# Altium PCB FOC_DRV8323.PcbDoc
Units mil, origin at the board's own origin, x right, y up, seen from the top; angles counter-clockwise.
Board outline 2192.91 x 943.98 mil, 4 copper layers (Top Layer, GND, Sign, Bottom Layer), stack 23.756 mil thick; 72 components, 67 nets, 296 pads, 257 vias.
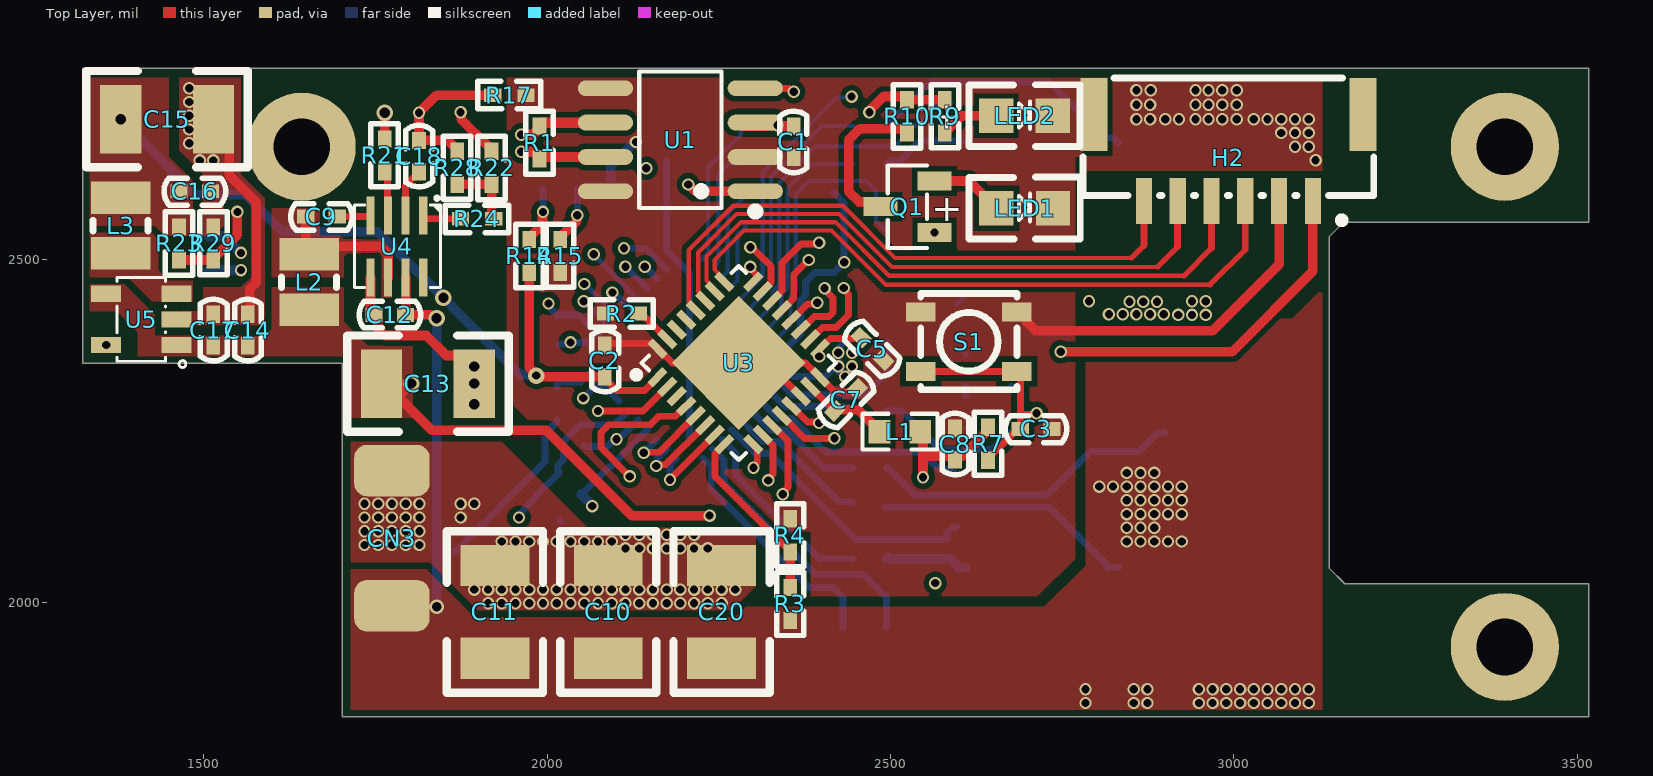
[diagram p0: Top Layer view]
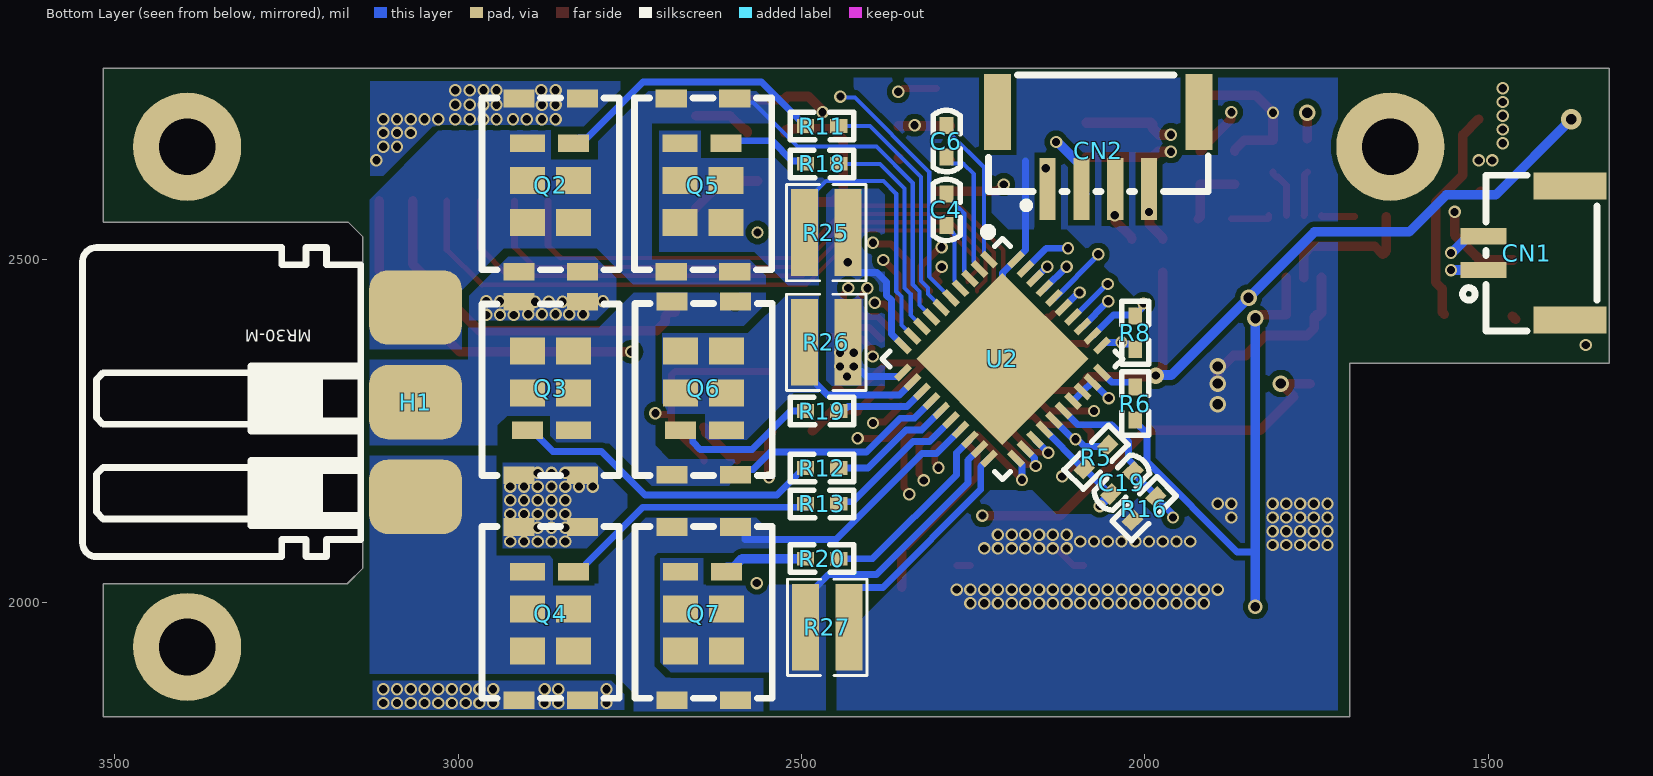
[diagram p1: Bottom Layer view, seen from below]
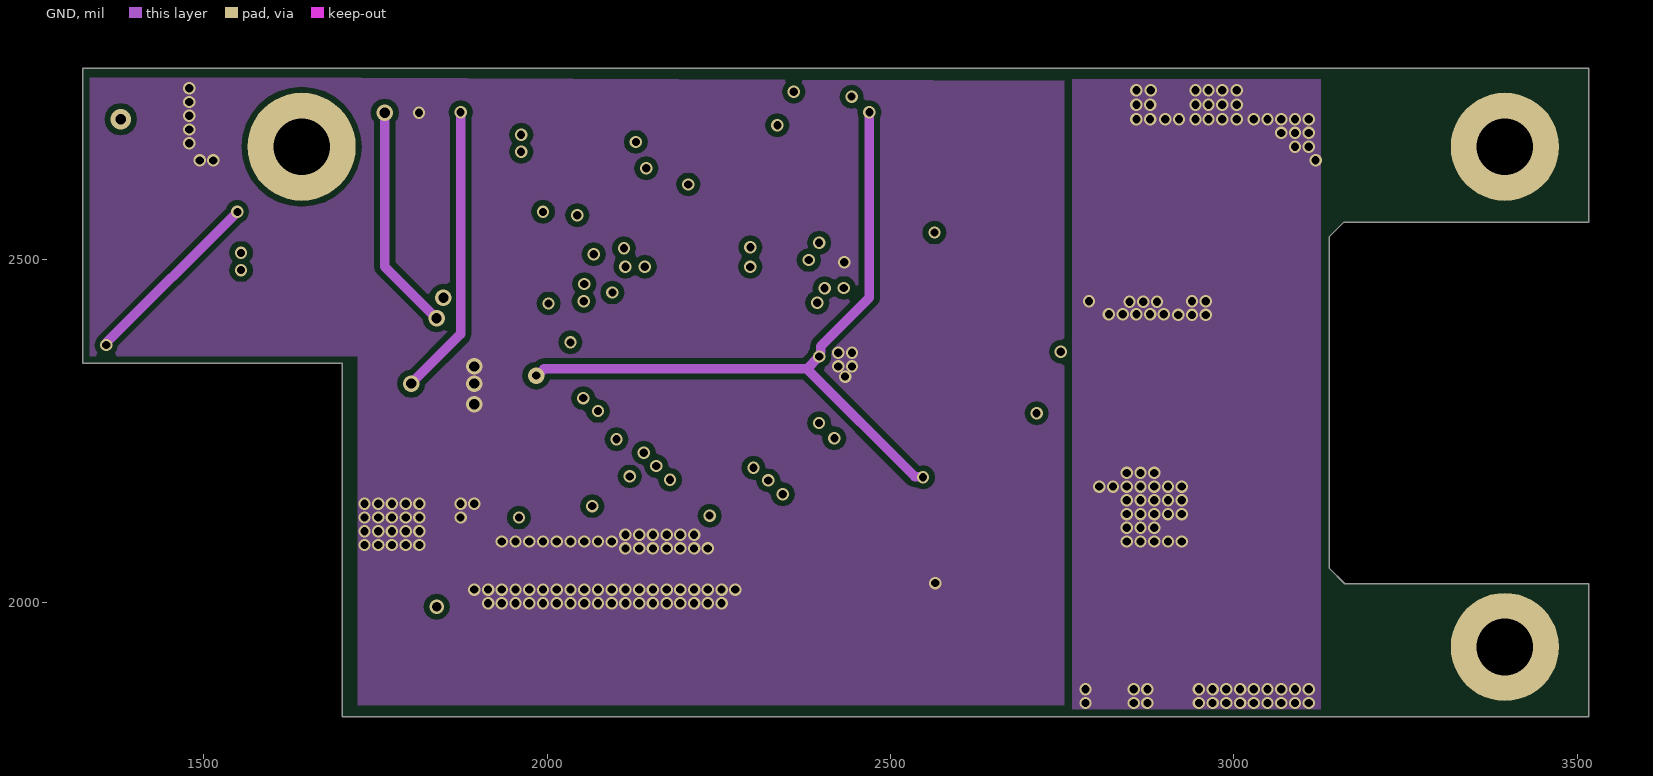
[diagram p2: GND]
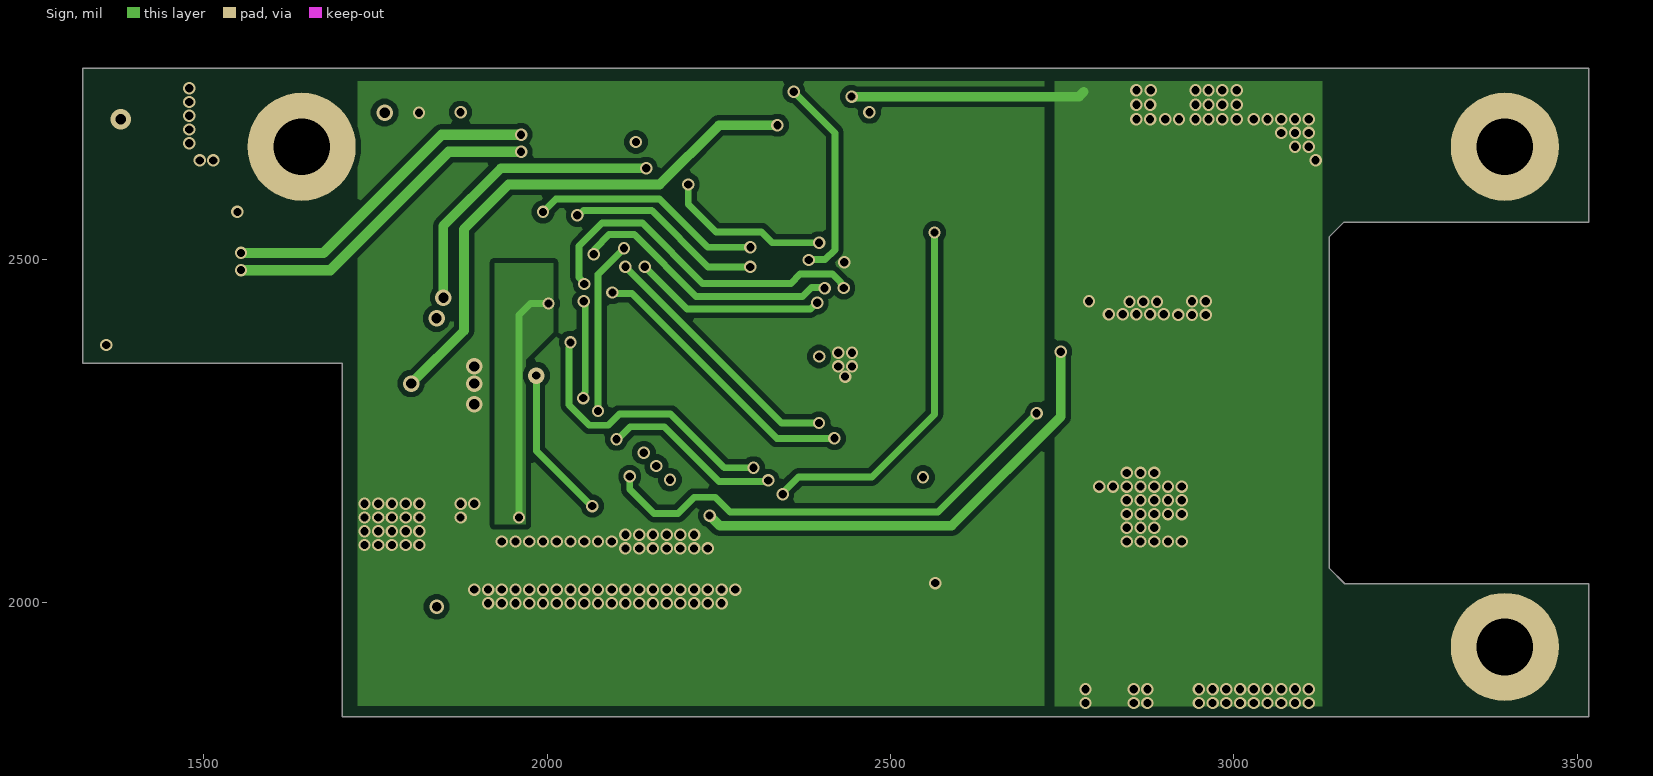
[diagram p3: Sign]
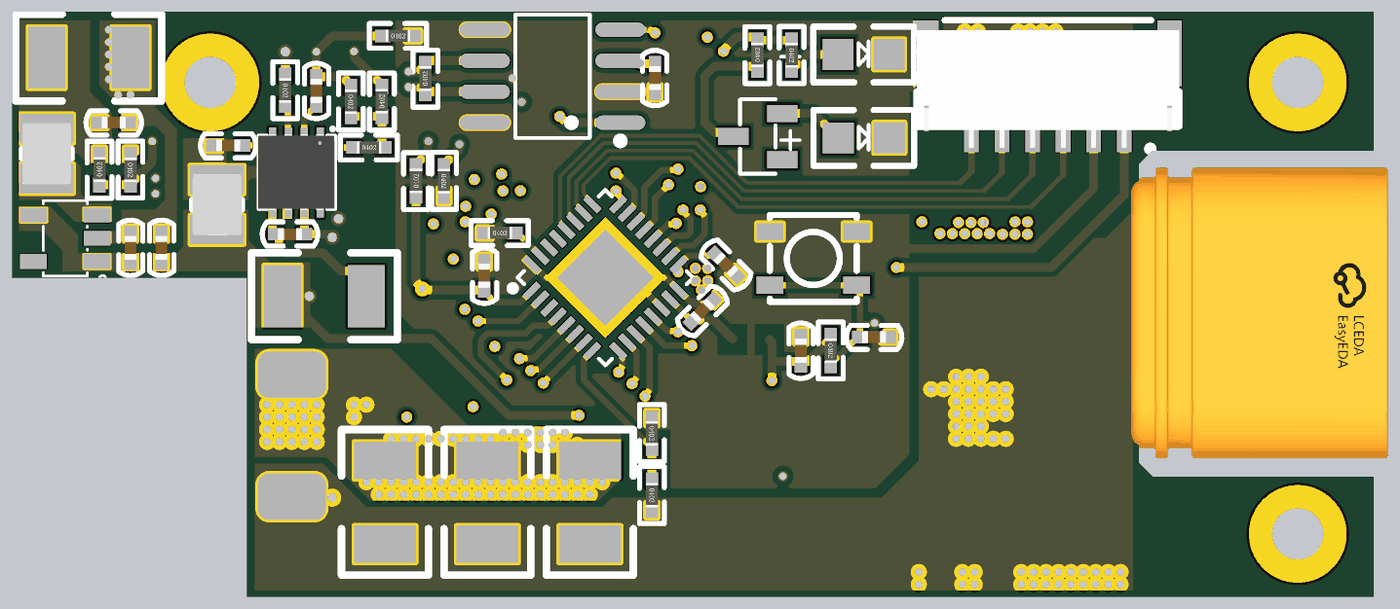
[diagram p4: 3D render of the assembled board from above, using the file's embedded part models]
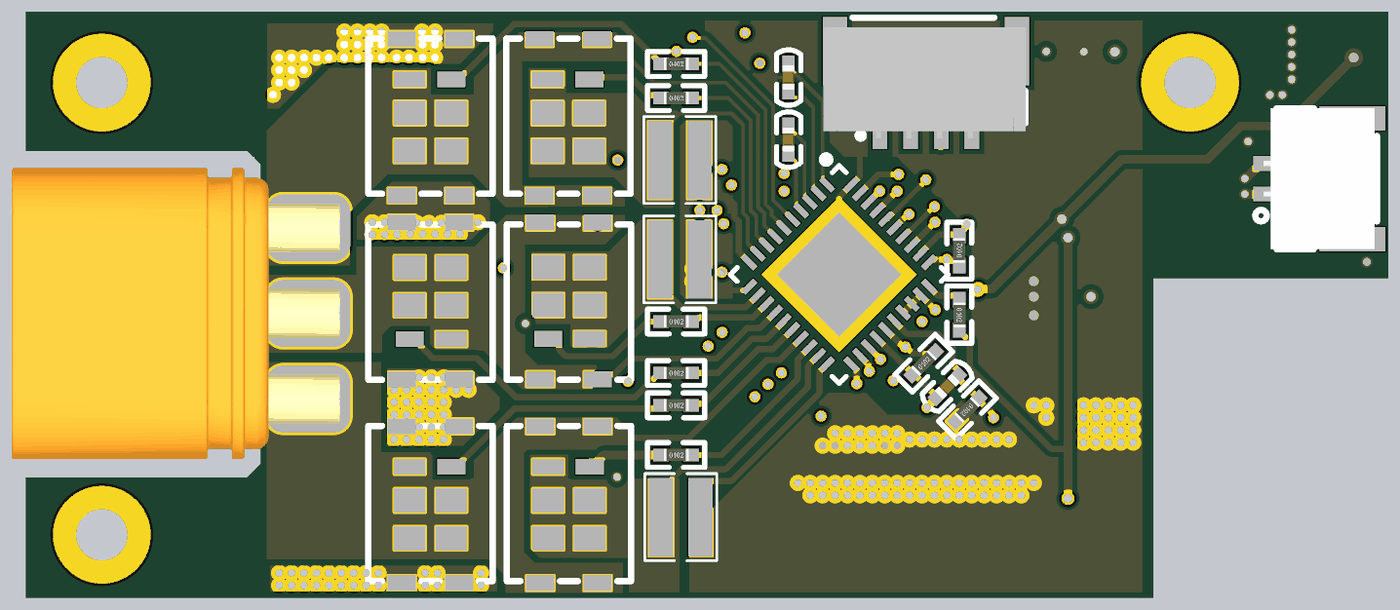
[diagram p5: 3D render of the assembled board from below, using the file's embedded part models]

## Layer stack, top to bottom
Top Solder: solder mask 0.4, Solder Resist, Dk 3.5
Top Layer: signal copper 1.4
Dielectric 2: prepreg 2.8, PP-006, Dk 4.1
GND: signal copper 1.378
Dielectric 1: dielectric 12.6, FR-4, Dk 4.8
Sign: signal copper 1.378
Dielectric 3: prepreg 2.8, PP-006, Dk 4.1
Bottom Layer: signal copper 1.4
Bottom Solder: solder mask 0.4, Solder Resist, Dk 3.5

## Board outline
1701.6,1834.03 1701.6,2348.88 1323.65,2348.88 1323.65,2778.02 3516.56,2778.02 3516.56,2553.61 3159.74,2553.61 3138.61,2532.47 3138.61,2050.37 3161.42,2027.56 3516.56,2027.56 3516.56,1834.03

## Design rules (kind name [scope] priority, off if disabled: settings)
Clearance [All] p1: gap=6 ignorepadtopadclearanceinfootprint=FALSE except(0: Arc-Hole Track-Hole SMDPad-Hole THPad-Hole Via-Hole Fill-Hole Poly-Hole Region-Hole Text-Hole; 8: Arc-Fill Arc-Poly Arc-Region Track-Fill Track-Poly Track-Region SMDPad-Fill SMDPad-Poly SMDPad-Region THPad-Fill THPad-Poly THPad-Region Via-Fill Via-Poly Via-Region Fill-Fill Fill-Poly Fill-Region Poly-Poly Poly-Region Region-Region)
DiffPairsRouting [All] p1: maxlimit=10 minlimit=10 mostfreqgap=10 toplayer_minwidth=15 toplayer_maxwidth=15 toplayer_prefwidth=15 midlayer1_minwidth=15 midlayer1_maxwidth=15 midlayer1_prefwidth=15 midlayer2_minwidth=15 midlayer2_maxwidth=15 midlayer2_prefwidth=15 bottomlayer_minwidth=15 bottomlayer_maxwidth=15 bottomlayer_prefwidth=15 maxuncoupledlength=500
HoleToHoleClearance [All] p1: gap=4 allowstackedmicrovias=TRUE
MinimumSolderMaskSliver [All] p1: minsoldermaskwidth=0
PlaneClearance [All] p1: clearance=8
PlaneConnect [All] p1: planeconnectstyle=Direct reliefexpansion=20 reliefentries=4 reliefconductorwidth=10 reliefairgap=10
PolygonConnect [All] p1: connectstyle=Direct reliefconductorwidth=10 reliefentries=4 polygonreliefangle="90 Angle" airgapwidth=10
RoutingVias [All] p1: holewidth=12 width=18 viastyle="Through Hole" minholewidth=10 minwidth=18 maxholewidth=28 maxwidth=50
SilkToSilkClearance [All] p1: silktosilkclearance=0
SilkToSolderMaskClearance [IsPad] p1: minsilkscreentomaskgap=0 clearancetoexposedcopper=TRUE
SolderMaskExpansion [All] p1: expansion=4 istentingtop=FALSE
Width [All] p1: maxlimit=14 minlimit=6 preferedwidth=10
23 further rules are at their usual default settings.

## Classes and differential pairs
differential pair CAN: +CAN_P -CAN_N

## Components (designator, comment, footprint, x,y, rotation, side; value= is the part's Value field where it differs from the comment)
C1 "100nF" c0402 2359,2649 r90 top
C2 "100nF" c0402 2084,2374 r270 top
C3 "100nF" c0402 2734,2253 r180 top
C4 "1uF" c0402 2289,2594.05 r270 bottom
C5 "100nF" c0402 2489,2354 r135 top
C6 "47nF" c0402 2289,2694 r270 bottom
C7 "100nF" c0402 2450.82,2310.82 r225 top
C8 "100nF" c0402 2594,2253 r270 top
C9 "100nF" c0402 1693.43,2562.19 r180 top
C10 "10uF" 1210 2089,2054 r270 top
C11 "10uF" 1210 1924,2054 r270 top
C12 "100nF" c0402 1749,2419 r0 top
C13 "10uF" 1210 1894,2319 r180 top
C14 "100nF" c0402 1564,2419 r270 top
C15 "10uF" 1210 1514,2704 r180 top
C16 "100nF" c0402 1509,2599 r180 top
C17 "1uF" c0402 1514,2419 r270 top
C18 "100nF" c0402 1813.43,2672.19 r270 top
C19 "100nF" c0402 2049,2159 r135 bottom
C20 "10uF" 1210 2254,2054 r270 top
CN1 "卧式CAN" "GH1.25 2P 卧式" 1444,2509 r90 bottom
CN2 "卧式STLINK" CONN-SMD_4P-P1.25_GH1.25-4P 2067.77,2658.35 r0 bottom
CN3 "XT30_1" XT30卧式焊盘 1774,2094 r0 top
H1 "MR30-M" MR30 3062,2292 r270 bottom
H2 "卧式GH1.25 6PIN" CONN-SMD_6P-P1.25_XYECONN_XY-GH1.25-6A61 2991.95,2648.1 r180 top
L1 "1008屏蔽电感" R0603 3878.19,2290.01 r180 top
L2 "1008屏蔽电感" IND-SMD_L2.5-W2.0 1653.43,2466.71 r90 top
L3 "1008屏蔽电感" IND-SMD_L2.5-W2.0 1379,2549 r270 top
LED1 "LED" led0805 2654.2,2574.35 r0 top
LED2 "LED" led0805 2654,2709 r0 top
Q1 "SS8050" SOT-23-3_L2.9-W1.3-P1.90-LS2.4-BR 2305.65,2731.51 r0 top
Q2 "IRF7480MTRPBF" TRS-SMD_IRF7480MTRPBF 2865.3,2607.9 r270 bottom
Q3 "IRF7480MTRPBF" TRS-SMD_IRF7480MTRPBF 2865.3,2312.03 r90 bottom
Q4 "IRF7480MTRPBF" TRS-SMD_IRF7480MTRPBF 2865.3,1983.98 r270 bottom
Q5 "IRF7480MTRPBF" TRS-SMD_IRF7480MTRPBF 2643.36,2607.9 r270 bottom
Q6 "IRF7480MTRPBF" TRS-SMD_IRF7480MTRPBF 2642.47,2312.31 r90 bottom
Q7 "IRF7480MTRPBF" TRS-SMD_IRF7480MTRPBF 2642.47,1983.98 r270 bottom
R1 "120Ω" R0402 1989,2645.8 r90 top
R2 "10K" R0402 2084.8,2421 r0 top
R3 "10K" R0402 2354,2022.2 r270 top
R4 "1K" R0402 2354,2122.2 r270 top
R5 "200k" R0402 2088.08,2194.92 r135 bottom
R6 "200k" R0402 2014,2314 r270 bottom
R7 "10K" R0402 2642,2255.5 r270 top
R8 "200k" R0402 2014,2369 r90 bottom
R9 "2K" R0402 2579,2732.2 r270 top
R10 "2KΩ" R0402 2524,2684 r90 top
R11 "2.2R" R0402 2494,2694 r180 bottom
R12 "2.2R" R0402 2494,2196.01 r180 bottom
R13 "2.2R" R0402 2494,2144 r180 bottom
R14 "10KΩ" R0402 1974,2480.8 r90 top
R15 "10KΩ" R0402 2019,2529 r270 top
R16 "0" R0402 1984,2154 r315 bottom
R17 "0" R0402 1920.8,2739 r0 top
R18 "2.2R" R0402 2494,2639 r180 bottom
R19 "2.2R" R0402 2494,2279 r180 bottom
R20 "2.2R" R0402 2494,2064 r180 bottom
R21 "10KΩ" R0402 1763.43,2675.39 r270 top
R22 "43KΩ" R0402 1919,2609 r90 top
R23 "232KΩ" R0402 1464,2499 r90 top
R24 "51KΩ" R0402 1874,2559 r0 top
R25 "0.001" R0612 2464,2539 r0 bottom
R26 "0.001" R0612 2464,2379 r0 bottom
R27 "0.001" R0612 2462.5,1964 r0 bottom
R28 "8.2KΩ" R0402 1869,2657.2 r270 top
R29 "51KΩ" R0402 1514,2547.2 r270 top
S1 "SW" KEY_SMD 2614,2380 r180 top
U1 "SN65HVD1050DR" SOIC-8_L4.9-W3.9-P1.27-LS6.0-BL 2194,2674 r90 top
U2 "DRV8323HRTAR" QFN-40_L6.0-W6.0-P0.50-BL-EP4.5 2215.52,2362.96 r315 bottom
U3 "STM32G431KBU3" UFQFPN-32_L5.0-W5.0-P0.50-BL-EP3.5 2275.98,2345.98 r315 top
U4 "MP9943" "QFN-8 3x3" 1819.59,2564 r270 top
U5 "TLV62569DBVR" SOT-23-5_L3.0-W1.7-P0.95-LS2.8-BR 1409,2409 r0 top

## Footprints (in the part's own frame and the unit in brackets; to place one, negate y for a bottom-side part, rotate by r counter-clockwise, add the part's x,y. Pads: shape width x height; smd on the part's side, far side on the other; paste and mask are expansions set on the pad)
1210 [mil]
  rect 60x100 smd: 1(0,0) 2(135,0)
  silkscreen extent -50,-70 185,70, body extent 4,-49 130,49, height 30
c0402 [mil]
  rect 25x20 smd: 1(-1,0) 2(45,0)
  silkscreen extent -23,-19 67,20, body extent 2,-10 42,10, height 20
CONN-SMD_4P-P1.25_GH1.25-4P [mm]
  rect 0.6x2.3 smd mask+0.051: 1(1.875,1.425) 2(0.625,1.425) 3(-0.625,1.425) 4(-1.875,1.425)
  rect 1x2.8 smd mask+0.051: 5(-3.725,-1.425) 6(3.725,-1.425)
  silkscreen extent -4.06,-2.8 4.06,2.16, body extent -4.07,-2.4 4.19,2.15, height 4.13
CONN-SMD_6P-P1.25_XYECONN_XY-GH1.25-6A61 [mm]
  rect 0.6x1.7 smd paste+0 mask+0.05: 1(-3.125,1.6) 2(-1.875,1.6) 3(-0.625,1.6) 4(0.625,1.6) 5(1.875,1.6) 6(3.125,1.6)
  rect 1x2.7 smd paste+0 mask+0.05: 7(4.975,-1.6) 8(-4.975,-1.6)
  silkscreen extent -5.38,-2.95 5.38,2.44, body extent -5.38,-2.55 5.39,2.3, height 4.34
"GH1.25 2P 卧式" [mm]
  rect 0.6x1.7 smd mask+0.051: 1(-0.625,1.602) 2(0.625,1.602)
  rect 1x2.7 smd mask+0.051: 3(2.475,-1.602) 4(-2.475,-1.598)
  silkscreen extent -2.88,-2.6 2.88,2.37, body extent -2.88,-2.51 2.88,2.05, height 4.13
IND-SMD_L2.5-W2.0 [mm]
  rect 1.2x2.2 smd: 1(1.028,0) 2(-1.028,0)
  silkscreen extent -0.2,-1.02 0.2,1.02, body extent -1.26,-1 1.26,1, height 1.2
KEY_SMD [mm]
  rect 1.1x0.7 smd: 1(-1.775,-1.1) 1(1.775,-1.1) 2(-1.775,1.1) 2(1.775,1.1)
  silkscreen extent -1.78,-1.78 1.78,1.78
led0805 [mil] "1/8W"
  rect 50x50 smd: 1(0,0) 2(82.3,0.2)
  silkscreen extent -40,-45 122,45, body extent 2,-25 80,25, height 20
MR30 [mm]
  rrect50% 2.75x3.429 smd: 1(3.5,0) 2(0,0) 3(-3.5,0)
  silkscreen extent -5.72,-12.31 5.71,-2.02, body extent -5.95,-12.12 5.95,1.28, height 2.45
"QFN-8 3x3" [mm]
  rect 1.4x0.3 smd: 1(0,0) 2(0,-0.65) 3(0,-1.3) 4(0,-1.95) 5(2.3,-1.95) 6(2.3,-1.3) 7(2.3,-0.65) 8(2.3,0)
  silkscreen extent -0.64,-2.54 2.67,0.64, body extent -0.41,-2.53 2.69,0.57, height 0.94
QFN-40_L6.0-W6.0-P0.50-BL-EP4.5 [mm]
  rect 0.25x0.7 smd paste-100 mask+0.051: 1(-2.25,-2.659) 2(-1.75,-2.659) 3(-1.25,-2.659) 4(-0.75,-2.659) 5(-0.25,-2.659) 6(0.25,-2.659) 7(0.75,-2.659) 8(1.25,-2.659) 9(1.75,-2.659) 10(2.25,-2.659) 21(2.25,3.241) 22(1.75,3.241) 23(1.25,3.241) 24(0.75,3.241) 25(0.25,3.241) 26(-0.25,3.241) 27(-0.75,3.241) 28(-1.25,3.241) 29(-1.75,3.241) 30(-2.25,3.241)
  rect 0.7x0.25 smd paste-100 mask+0.051: 11(2.95,-1.958) 12(2.95,-1.459) 13(2.95,-0.958) 14(2.95,-0.459) 15(2.95,0.042) 16(2.95,0.541) 17(2.95,1.042) 18(2.95,1.541) 19(2.95,2.041) 20(2.95,2.541) 31(-2.95,2.541) 32(-2.95,2.041) 33(-2.95,1.541) 34(-2.95,1.042) 35(-2.95,0.541) 36(-2.95,0.042) 37(-2.95,-0.459) 38(-2.95,-0.958) 39(-2.95,-1.459) 40(-2.95,-1.958)
  rect 4.5x4.5 smd paste-100 mask+0.051: 41(0,0.292)
  silkscreen extent -3.15,-3.56 3.15,3.44
R0402 [mil] "1/16W"
  rect 25x20 smd: 1(0,0) 2(48.2,0)
  silkscreen extent -22,-20 70,20, body extent 5,-10 44,10, height 14
R0603 [mil]
  rect 31.75x34.02 smd paste-3937.01 mask+2: 1(1334.87,41.01) 2(1394.19,41.01)
  silkscreen extent 1310,15 1419,67, body extent 1334,24 1396,56, height 18
R0612 [mm]
  rect 1x3.2 smd paste+0 mask+0.051: 1(-0.8,0) 2(0.8,0)
  silkscreen extent -1.47,-1.78 1.47,1.78
SOIC-8_L4.9-W3.9-P1.27-LS6.0-BL [mm]
  oval 0.588x2.045 smd mask+0.051: 1(-1.905,-2.772) 2(-0.635,-2.772) 3(0.635,-2.772) 4(1.905,-2.772) 5(1.905,2.772) 6(0.635,2.772) 7(-0.635,2.772) 8(-1.905,2.772)
  silkscreen extent -2.8,-2.92 2.53,1.52, body extent -2.45,-3 2.45,3, height 1.75
SOT-23-3_L2.9-W1.3-P1.90-LS2.4-BR [mm]
  rect 1.25x0.7 smd: 1(6.562,-4.885) 2(6.562,-2.985) 3(4.562,-3.935)
  silkscreen extent 4.84,-5.46 6.29,-2.41, body extent 4.19,-5.39 6.99,-2.49, height 1.3
SOT-23-5_L3.0-W1.7-P0.95-LS2.8-BR [mm]
  rect 1.1x0.6 smd paste+0 mask+0.051: 1(1.3,-0.861) 2(1.3,0.089) 3(1.3,1.039) 4(-1.3,1.039) 5(-1.3,-0.861)
  silkscreen extent -0.9,-1.69 1.65,1.64
TRS-SMD_IRF7480MTRPBF [mm]
  rect 0.65x1.15 smd paste+0 mask+0.051: 1(-1.555,0.85) 7(-3.205,1.175) 8(-3.205,-1.175) 9(3.205,-1.175) 10(3.205,1.175)
  rect 1x1.3 smd paste+0 mask+0.051: 2(-0.175,0.85) 3(1.375,0.85) 4(1.375,-0.85) 5(-0.175,-0.85)
  rect 0.65x1.3 smd paste+0 mask+0.051: 6(-1.555,-0.85)
  silkscreen extent -3.22,-2.54 3.13,2.54
UFQFPN-32_L5.0-W5.0-P0.50-BL-EP3.5 [mm]
  rect 0.28x0.8 smd paste-100 mask+0.051: 1(-1.75,-2.392) 2(-1.25,-2.392) 3(-0.75,-2.392) 4(-0.25,-2.392) 5(0.25,-2.392) 6(0.75,-2.392) 7(1.25,-2.392) 8(1.75,-2.392) 17(1.75,2.609) 18(1.25,2.608) 19(0.75,2.609) 20(0.25,2.608) 21(-0.25,2.608) 22(-0.75,2.608) 23(-1.25,2.608) 24(-1.75,2.608)
  rect 0.8x0.28 smd paste-100 mask+0.051: 9(2.5,-1.642) 10(2.5,-1.142) 11(2.5,-0.642) 12(2.5,-0.142) 13(2.5,0.358) 14(2.5,0.858) 15(2.5,1.358) 16(2.5,1.858) 25(-2.5,1.858) 26(-2.5,1.358) 27(-2.5,0.858) 28(-2.5,0.358) 29(-2.5,-0.142) 30(-2.5,-0.642) 31(-2.5,-1.142) 32(-2.5,-1.642)
  rect 3.5x3.5 smd paste-100 mask+0.051: 33(0,0.108)
  silkscreen extent -2.54,-3.01 2.54,2.65
XT30卧式焊盘 [mil]
  rrect50% 110x75 smd: 1(0,98.43) 2(0,-98.43)

## Part data
C1 C9 C12 C14 C15 C16 C17 C18: library part 0402贴片电容, "贴片电容0402"
C2 C3 C4 C5 C6 C7 C8 C19: library part CC0201JRX7R9BB101
C10 C11 C13 C20: library part 1210贴片电容, "1210贴片电容"
H1: BOM_Manufacturer=AMASS(艾迈斯), BOM_Manufacturer Part=MR30-M, BOM_Supplier=LCSC, BOM_Supplier Part=C99873, Contributor=LCEDA_Lib, spicePre=H, spiceSymbolName=HDR-F-2.54_1x3
LED1 LED2: library part 0805贴片LED, "0805贴片LED"
Q1: library part 2N2222, "三极管"
R1 R10 R14 R15 R21 R22 R23 R24 R28 R29: library part 0402贴片电阻, "0402贴片电阻"
R2 R3 R4 R5 R6 R7 R8 R9 R16 R17: library part 2.2R, BOM_Manufacturer=UniOhm, BOM_Manufacturer Part=0603WAJ022JT5E, BOM_Supplier=LCSC, BOM_Supplier Part=C25226, nameAlias=Value(Ω), spicePre=R, spiceSymbolName=Res_0603(1/10W)_EU
R11 R12 R13 R18 R19 R20: BOM_Manufacturer=UniOhm, BOM_Manufacturer Part=0603WAJ022JT5E, BOM_Supplier=LCSC, BOM_Supplier Part=C25226, nameAlias=Value(Ω), spicePre=R, spiceSymbolName=Res_0603(1/10W)_EU
R25 R26 R27: library part 0.0005, BOM_Manufacturer=RALEC(旺诠), BOM_Manufacturer Part=LR2512-23R0005J4, BOM_Supplier=LCSC, BOM_Supplier Part=C2681067, Contributor=LCSC, nameAlias="Resistance (Ohms)", spicePre=R, spiceSymbolName=LCSR2512FL500K9L
S1: "开关"
U1: "CAN芯片", JLCPCB Part Class="Extended Part", LCSC Part Name=4.5V~5.5V, Manufacturer=TI(德州仪器), Operating Temperature=-40℃~+125℃, Supply Current=50mA, Add into BOM=yes, Convert to PCB=yes, Datasheet=https://www.ti.com/cn/lit/gpn/sn65hvd1050, Device=SN65HVD1050DR, Manufacturer Part=SN65HVD1050DR, Name=SN65HVD1050DR, Supplier=LCSC, Supplier Footprint=SOIC-8, Supplier Part=C14019, Supply Voltage=4.5V~5.5V, Symbol=SN65HVD1050DR, Type=收发器
CN1: LatestRevisionDate=17-Jul-2002, LatestRevisionNote="Re-released for DXP Platform.", Publisher="Altium Limited"

## Free pads (board coordinates)
  round 157.48 hole 82.68: 2(1642.54,2663.84) 2(3394.51,1935.5) 2(3394.51,2663.84)
